# Altium PCB BTF16.PcbDoc (part 3 of 4)
Units mm, origin at the board's own origin, x right, y up, seen from the top; angles counter-clockwise.
Board outline 119.35 x 91 mm, 2 copper layers (Top Layer, Bottom Layer); 485 components, 133 nets, 1702 pads, 1556 vias.
Unrouted connection lines stored in the file: 2.
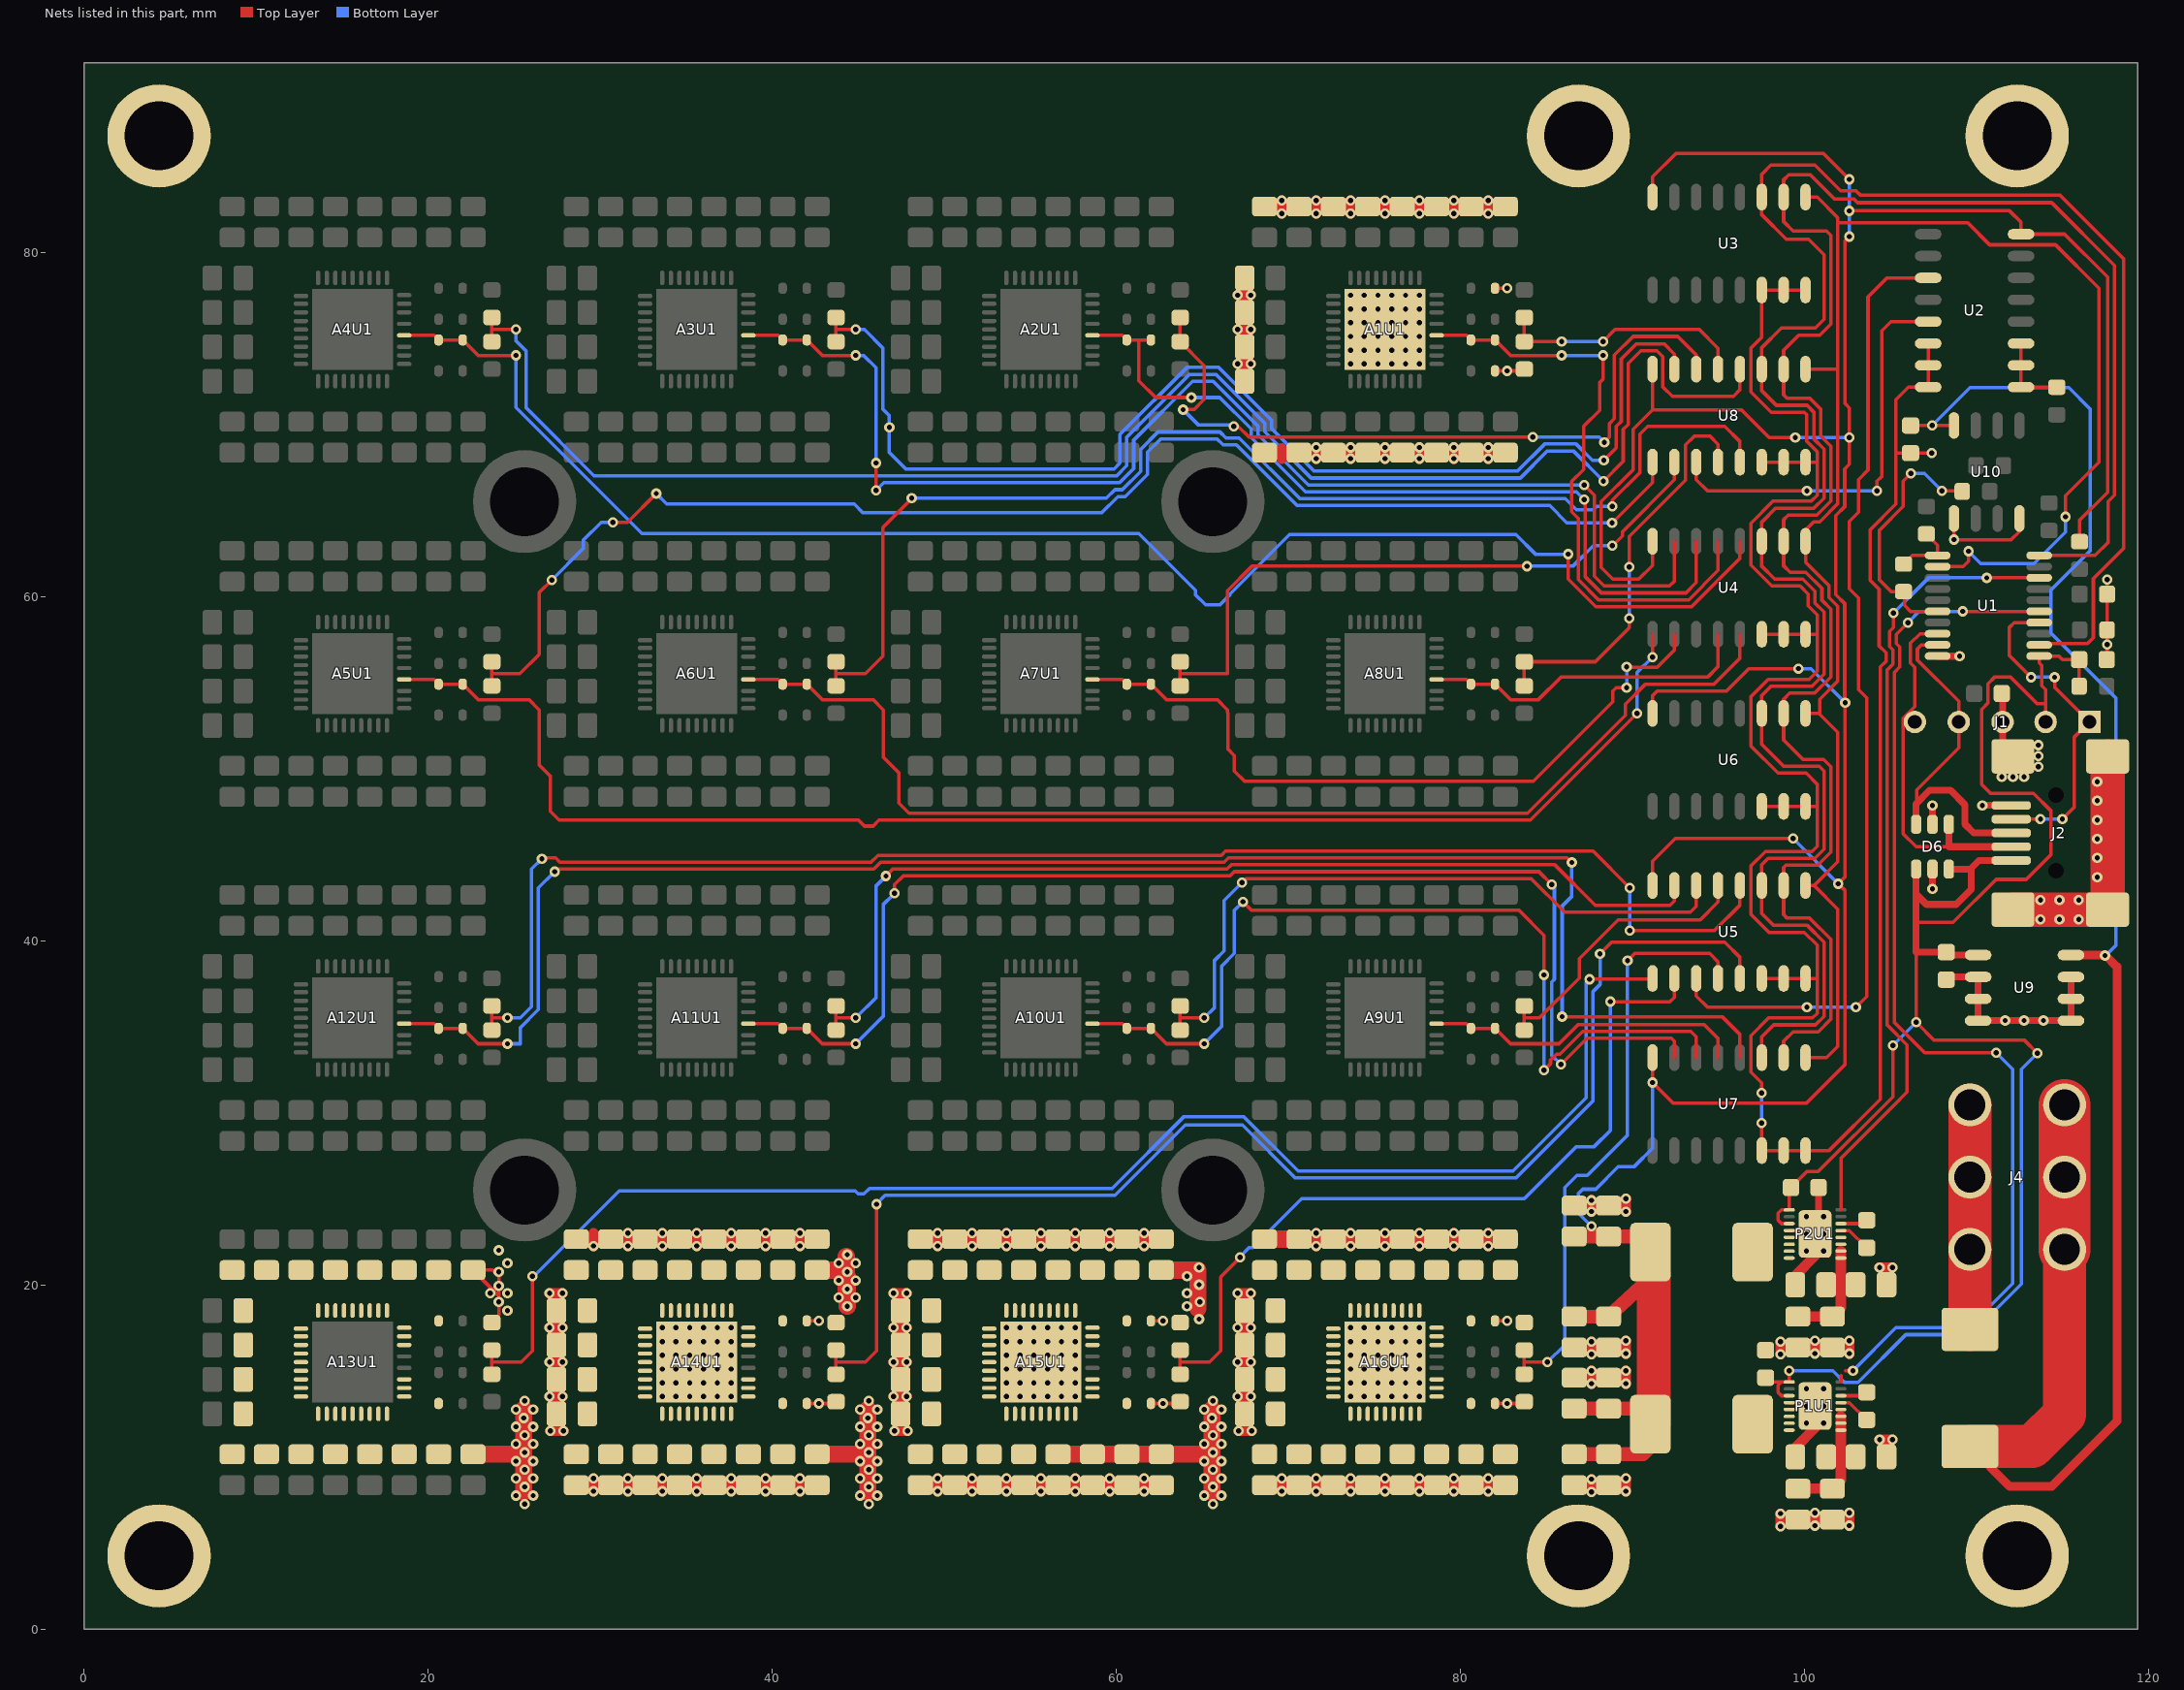
[diagram p3: the nets of this part, all layers, seen from the top]

## Via types
v1: diameter 0.6, hole 0.3, Top Layer to Bottom Layer, tented both sides, 1556 vias

## Nets (pads, with @x,y where several pads share a name; then routed paths per layer and width w, separated by ;. In a path a pad name is that pad's centre, name@x,y a point inside that pad or via, vN(x,y) a via of type N, cw(c..) or ccw(c..) an arc to the next point about the centre after c; other vN are vias at no path point) (continued)
5.0V: C1.1 C4.1 D6.1 D6.3 J1.2 J2.1 P1C10.1 P1U1.1 P1U1.3 P2C10.1 P2U1.1 P2U1.3 R9.2 U1.1 U9.1 | length 113.7
  Top Layer w0.2: P1C10.1@97.725,14.575 97.95,14.35 98.65,14.35 ; P1U1.3@99.1,13.55 98.65,13.55 98.45,13.75 98.45,14.15 98.65,14.35 ; v1(99.1,15) P1U1.1@99.1,14.35 98.65,14.35 ; P2U1.3@99.1,23.55 98.65,23.55 98.45,23.75 98.45,24.15 98.65,24.35 P2U1.1@99.1,24.35 99.1,25.55 100.125,26.575 100.775,26.575 105.125,30.925 v1(105.125,33.9) ; 106.475,39.325 v1(106.475,35.25) 107.525,34.2 112.775,34.2 v1(113.525,33.45) ; 106.475,41.05 108.625,41.05 111.125,43.55 112.875,43.55 114.3,44.975 114.3,47.55 113.3,48.55 110.8,48.55 110.275,49.075 110.275,53.425 110.65,53.8 110.65,54.925 111.025,55.3 111.975,55.3 113.525,53.75 114,53.75 ; J1.2@114,52.7 114,53.75 ; R9.2@115.95,54.775 C1.1@115.95,56.325 114.975,56.325 114.775,56.525 U1.1@113.625,56.525 113.625,56.125 113.775,55.975 113.775,54.8 114,54.575 114,53.75
  Top Layer w0.4: D6.1@106.475,44.15 106.475,42.7 ; D6.3@108.375,44.15 109.625,44.15 109.675,44.2 ; U9.1@110.075,39.155 108.395,39.155 C4.1@108.225,39.325 106.475,39.325 106.475,41.05 106.475,42.7 ; J2.1@112,44.65 110.125,44.65 109.675,44.2 ; 106.475,42.7 107.075,42.1 108.8,42.1 109.675,42.975 109.675,44.2
  Bottom Layer w0.2: v1(99.1,15) 101.625,15 102.3,14.325 103.1,14.325 105.875,17.1 109.666,17.1 112.6,20.034 112.6,32.525 v1(113.525,33.45) ; v1(105.125,33.9) v1(106.475,35.25)
5.2V: A13C1.1 A13C2.1 A13C3.1 A13C4.1 A13C5.1 A13C6.1 A13C7.1 A13C8.1 A13C9.1 A13C10.1 A13C11.1 A13C12.1 A13C13.1 A13C14.1 A13C15.1 A13C16.1 A13C17.1 A13C18.1 A13C19.1 A13C20.1 A13D1.1 A13D3.1 A13R1.1 A13U1.1 A13U1.2 A13U1.3 A13U1.4 A13U1.5 A13U1.6 A13U1.7 A13U1.8 A13U1.9 A13U1.10 A13U1.11 A13U1.12 A13U1.13 A13U1.14 A13U1.15 A13U1.16 A13U1.17 A13U1.18 A13U1.19 A13U1.20 A13U1.21 A13U1.24 A13U1.25 A13U1.26 A13U1.27 A13U1.28 A13U1.29 A13U1.30 A13U1.31 A13U1.32 A13U1.33 A13U1.34 A13U1.35 A14C1.2 A14C2.2 A14C3.2 A14C4.2 A14C5.2 A14C6.2 A14C7.2 A14C8.2 A14C9.2 A14C10.2 A14C11.2 A14C12.2 A14C13.2 A14C14.2 A14C15.2 A14C16.2 A14C17.2 A14C18.2 A14C19.2 A14C20.2 A14D2.2 A14D4.2 A14R2.2 A14U1.36 | length 49.5
  Top Layer w0.2: 24.1,18.25 24.1,19.35 ; A14D4.2@42,13.1 v1(42.7,13.1) 43.6,13.1 A14R2.2@43.7,13.2 ; A14D2.2@42,17.9 v1(42.7,17.9) ; 24.1,19.35 A13C1.1@22.6,20.85 23.75,20.85 24.1,20.5 24.1,19.35
  Top Layer w0.6: v1(27.05,13.5) 27.45,13.5 ; v1(27.05,15.5) 27.45,15.5 ; v1(27.05,17.5) 27.45,17.5 ; v1(27.05,19.5) 27.45,19.5 ; v1(27.1,11.5) 27.45,11.5 ; A14C19.2@27.45,14.5 27.45,15.5 ; A14C17.2@27.45,16.5 27.45,17.5 ; A14C18.2@27.45,18.5 27.45,19.5 ; v1(27.8,13.5) 27.45,13.5 ; v1(27.8,15.5) 27.45,15.5 ; v1(27.8,17.5) 27.45,17.5 ; v1(27.8,19.5) 27.45,19.5 ; v1(27.85,11.5) 27.45,11.5 ; A14C9.2@28.6,8.35 29.6,8.35 ; v1(29.6,8) 29.6,8.35 ; v1(29.6,8.75) 29.6,8.35 ; v1(29.6,22.25) 29.6,22.65 ; 29.6,23 29.6,22.65 ; A14C10.2@30.6,8.35 31.6,8.35 ; A14C7.2@30.6,22.65 29.6,22.65 ; v1(31.6,8) 31.6,8.35 ; v1(31.6,8.75) 31.6,8.35 ; v1(31.6,22.25) 31.6,22.65 ; v1(31.6,23) 31.6,22.65 ; A14C11.2@32.6,8.35 33.6,8.35 ; A14C6.2@32.6,22.65 31.6,22.65 ; v1(33.6,8) 33.6,8.35 ; v1(33.6,8.75) 33.6,8.35 ; v1(33.6,22.25) 33.6,22.65 ; v1(33.6,23) 33.6,22.65 ; A14C12.2@34.6,8.35 35.6,8.35 ; A14C5.2@34.6,22.65 33.6,22.65 ; v1(35.6,8) 35.6,8.35 ; v1(35.6,8.75) 35.6,8.35 ; v1(35.6,22.25) 35.6,22.65 ; v1(35.6,23) 35.6,22.65 ; A14C13.2@36.6,8.35 37.6,8.35 ; A14C4.2@36.6,22.65 35.6,22.65 ; v1(37.6,8) 37.6,8.35 ; v1(37.6,8.75) 37.6,8.35 ; v1(37.6,22.25) 37.6,22.65 ; v1(37.6,23) 37.6,22.65 ; A14C14.2@38.6,8.35 39.6,8.35 ; A14C3.2@38.6,22.65 37.6,22.65 ; v1(39.6,8) 39.6,8.35 ; v1(39.6,8.75) 39.6,8.35 ; v1(39.6,22.25) 39.6,22.65 ; v1(39.6,23) 39.6,22.65 ; A14C15.2@40.6,8.35 41.6,8.35 ; A14C2.2@40.6,22.65 39.6,22.65 ; v1(41.6,8) 41.6,8.35 ; v1(41.6,8.75) 41.6,8.35 ; v1(41.6,22.25) 41.6,22.65 ; v1(41.6,23) 41.6,22.65 ; A14C1.2@42.6,22.65 41.6,22.65 ; 27.45,11.5 A14C20.2@27.45,12.5 27.45,13.5
  Top Layer w1: A13C16.1@22.6,10.15 v1@25.55,10.15 ; 25.55,7.95 v1@25.55,10.15 ; 25.55,12.775 v1@25.55,10.15
  other v1: 25.6,7.25 25.1,7.75 26.1,7.75 25.6,8.25 25.1,8.75 26.1,8.75 25.6,9.25 25.1,9.75 26.1,9.75 25.6,10.25 25.1,10.75 26.1,10.75 25.6,11.25 25.1,11.75 26.1,11.75 25.55,12.25 25.1,12.75 26.1,12.75 25.6,13.25 33.6,13.5 34.4,13.5 35.2,13.5 36,13.5 36.8,13.5 37.6,13.5 33.6,14.3 34.4,14.3 35.2,14.3 36,14.3 36.8,14.3 37.6,14.3 33.6,15.1 34.4,15.1 35.2,15.1 36,15.1 36.8,15.1 37.6,15.1 33.6,15.9 34.4,15.9 35.2,15.9 36,15.9 36.8,15.9 37.6,15.9 33.6,16.7 34.4,16.7 35.2,16.7 36,16.7 36.8,16.7 37.6,16.7 33.6,17.5 34.4,17.5 35.2,17.5 36,17.5 36.8,17.5 37.6,17.5 24.6,18.5 24.1,19 23.6,19.5 24.6,19.5 24.1,19.925 24.1,20.75 24.6,21.25 24.1,22
5.6V: A14C1.1 A14C2.1 A14C3.1 A14C4.1 A14C5.1 A14C6.1 A14C7.1 A14C8.1 A14C9.1 A14C10.1 A14C11.1 A14C12.1 A14C13.1 A14C14.1 A14C15.1 A14C16.1 A14C17.1 A14C18.1 A14C19.1 A14C20.1 A14D1.1 A14D3.1 A14R1.1 A14U1.1 A14U1.2 A14U1.3 A14U1.4 A14U1.5 A14U1.6 A14U1.7 A14U1.8 A14U1.9 A14U1.10 A14U1.11 A14U1.12 A14U1.13 A14U1.14 A14U1.15 A14U1.16 A14U1.17 A14U1.18 A14U1.19 A14U1.20 A14U1.21 A14U1.24 A14U1.25 A14U1.26 A14U1.27 A14U1.28 A14U1.29 A14U1.30 A14U1.31 A14U1.32 A14U1.33 A14U1.34 A14U1.35 A15C1.2 A15C2.2 A15C3.2 A15C4.2 A15C5.2 A15C6.2 A15C7.2 A15C8.2 A15C9.2 A15C10.2 A15C11.2 A15C12.2 A15C13.2 A15C14.2 A15C15.2 A15C16.2 A15C17.2 A15C18.2 A15C19.2 A15C20.2 A15D2.2 A15D4.2 A15R2.2 A15U1.36 | length 49.3
  Top Layer w0.2: A15D4.2@62,13.1 v1(62.7,13.1) 63.6,13.1 A15R2.2@63.7,13.2 ; A15D2.2@62,17.9 v1(62.7,17.9)
  Top Layer w0.6: v1(47.05,13.5) 47.45,13.5 ; v1(47.05,15.5) 47.45,15.5 ; v1(47.05,17.5) 47.45,17.5 ; v1(47.05,19.5) 47.45,19.5 ; v1(47.1,11.5) 47.45,11.5 ; A15C19.2@47.45,14.5 47.45,15.5 ; A15C17.2@47.45,16.5 47.45,17.5 ; A15C18.2@47.45,18.5 47.45,19.5 ; v1(47.8,13.5) 47.45,13.5 ; v1(47.8,15.5) 47.45,15.5 ; v1(47.8,17.5) 47.45,17.5 ; v1(47.8,19.5) 47.45,19.5 ; v1(47.85,11.5) 47.45,11.5 ; A15C9.2@48.6,8.35 49.6,8.35 ; v1(49.6,8) 49.6,8.35 ; v1(49.6,8.75) 49.6,8.35 ; v1(49.6,22.25) 49.6,22.65 ; v1(49.6,23) 49.6,22.65 ; A15C10.2@50.6,8.35 51.6,8.35 ; A15C7.2@50.6,22.65 49.6,22.65 ; v1(51.6,8) 51.6,8.35 ; v1(51.6,8.75) 51.6,8.35 ; v1(51.6,22.25) 51.6,22.65 ; v1(51.6,23) 51.6,22.65 ; A15C11.2@52.6,8.35 53.6,8.35 ; A15C6.2@52.6,22.65 51.6,22.65 ; v1(53.6,8) 53.6,8.35 ; v1(53.6,8.75) 53.6,8.35 ; v1(53.6,22.25) 53.6,22.65 ; v1(53.6,23) 53.6,22.65 ; A15C12.2@54.6,8.35 55.6,8.35 ; A15C5.2@54.6,22.65 53.6,22.65 ; v1(55.6,8) 55.6,8.35 ; v1(55.6,8.75) 55.6,8.35 ; v1(55.6,22.25) 55.6,22.65 ; v1(55.6,23) 55.6,22.65 ; A15C13.2@56.6,8.35 57.6,8.35 ; A15C4.2@56.6,22.65 55.6,22.65 ; v1(57.6,8) 57.6,8.35 ; v1(57.6,8.75) 57.6,8.35 ; v1(57.6,22.25) 57.6,22.65 ; v1(57.6,23) 57.6,22.65 ; A15C14.2@58.6,8.35 59.6,8.35 ; A15C3.2@58.6,22.65 57.6,22.65 ; v1(59.6,8) 59.6,8.35 ; v1(59.6,8.75) 59.6,8.35 ; v1(59.6,22.25) 59.6,22.65 ; v1(59.6,23) 59.6,22.65 ; A15C15.2@60.6,8.35 61.6,8.35 ; A15C2.2@60.6,22.65 59.6,22.65 ; v1(61.6,8) 61.6,8.35 ; v1(61.6,8.75) 61.6,8.35 ; v1(61.6,22.25) 61.6,22.65 ; v1(61.6,23) 61.6,22.65 ; A15C1.2@62.6,22.65 61.6,22.65 ; 47.45,11.5 A15C20.2@47.45,12.5 47.45,13.5
  Top Layer w1: A14C16.1@42.6,10.15 v1@45.55,10.15 ; A14C1.1@42.6,20.85 44,20.85 44.35,20.5 v1(44.35,18.75) ; 44.3,19.45 v1@44.3,21.65 ; 45.55,7.95 v1@45.55,10.15 ; 45.55,12.775 v1@45.55,10.15
  other v1: 45.6,7.25 45.1,7.75 46.1,7.75 45.6,8.25 45.1,8.75 46.1,8.75 45.6,9.25 45.1,9.75 46.1,9.75 45.6,10.25 45.1,10.75 46.1,10.75 45.6,11.25 45.1,11.75 46.1,11.75 45.55,12.25 45.1,12.75 46.1,12.75 45.6,13.25 53.6,13.5 54.4,13.5 55.2,13.5 56,13.5 56.8,13.5 57.6,13.5 53.6,14.3 54.4,14.3 55.2,14.3 56,14.3 56.8,14.3 57.6,14.3 53.6,15.1 54.4,15.1 55.2,15.1 56,15.1 56.8,15.1 57.6,15.1 53.6,15.9 54.4,15.9 55.2,15.9 56,15.9 56.8,15.9 57.6,15.9 53.6,16.7 54.4,16.7 55.2,16.7 56,16.7 56.8,16.7 57.6,16.7 53.6,17.5 54.4,17.5 55.2,17.5 56,17.5 56.8,17.5 57.6,17.5 43.85,19.25 44.85,19.25 44.35,19.75 43.85,20.25 44.85,20.25 44.35,20.75 43.85,21.25 44.85,21.25 44.35,21.75
6.0V: A15C1.1 A15C2.1 A15C3.1 A15C4.1 A15C5.1 A15C6.1 A15C7.1 A15C8.1 A15C9.1 A15C10.1 A15C11.1 A15C12.1 A15C13.1 A15C14.1 A15C15.1 A15C16.1 A15C17.1 A15C18.1 A15C19.1 A15C20.1 A15D1.1 A15D3.1 A15R1.1 A15U1.1 A15U1.2 A15U1.3 A15U1.4 A15U1.5 A15U1.6 A15U1.7 A15U1.8 A15U1.9 A15U1.10 A15U1.11 A15U1.12 A15U1.13 A15U1.14 A15U1.15 A15U1.16 A15U1.17 A15U1.18 A15U1.19 A15U1.20 A15U1.21 A15U1.24 A15U1.25 A15U1.26 A15U1.27 A15U1.28 A15U1.29 A15U1.30 A15U1.31 A15U1.32 A15U1.33 A15U1.34 A15U1.35 A16C1.2 A16C2.2 A16C3.2 A16C4.2 A16C5.2 A16C6.2 A16C7.2 A16C8.2 A16C9.2 A16C10.2 A16C11.2 A16C12.2 A16C13.2 A16C14.2 A16C15.2 A16C16.2 A16C17.2 A16C18.2 A16C19.2 A16C20.2 A16D2.2 A16D4.2 A16R2.2 A16U1.36 | length 60.1
  Top Layer w0.2: A16D4.2@82,13.1 v1(82.7,13.1) 83.6,13.1 A16R2.2@83.7,13.2 ; A16D2.2@82,17.9 v1(82.7,17.9)
  Top Layer w0.6: v1(67.05,13.5) 67.45,13.5 ; v1(67.05,15.5) 67.45,15.5 ; v1(67.05,17.5) 67.45,17.5 ; v1(67.05,19.5) 67.45,19.5 ; v1(67.1,11.5) 67.45,11.5 ; A16C19.2@67.45,14.5 67.45,15.5 ; A16C17.2@67.45,16.5 67.45,17.5 ; A16C18.2@67.45,18.5 67.45,19.5 ; v1(67.8,13.5) 67.45,13.5 ; v1(67.8,15.5) 67.45,15.5 ; v1(67.8,17.5) 67.45,17.5 ; v1(67.8,19.5) 67.45,19.5 ; v1(67.85,11.5) 67.45,11.5 ; A16C9.2@68.6,8.35 69.6,8.35 ; v1(69.6,8) 69.6,8.35 ; v1(69.6,8.75) 69.6,8.35 ; A16C10.2@70.6,8.35 71.6,8.35 ; v1(71.6,8) 71.6,8.35 ; v1(71.6,8.75) 71.6,8.35 ; v1(71.6,22.25) 71.6,22.65 v1(71.6,23) ; A16C11.2@72.6,8.35 73.6,8.35 ; v1(73.6,8) 73.6,8.35 ; v1(73.6,8.75) 73.6,8.35 ; v1(73.6,22.25) 73.6,22.65 v1(73.6,23) ; A16C12.2@74.6,8.35 75.6,8.35 ; v1(75.6,8) 75.6,8.35 ; v1(75.6,8.75) 75.6,8.35 ; v1(75.6,22.25) 75.6,22.65 v1(75.6,23) ; A16C13.2@76.6,8.35 77.6,8.35 ; v1(77.6,8) 77.6,8.35 ; v1(77.6,8.75) 77.6,8.35 ; v1(77.6,22.25) 77.6,22.65 v1(77.6,23) ; A16C14.2@78.6,8.35 79.6,8.35 ; v1(79.6,8) 79.6,8.35 ; v1(79.6,8.75) 79.6,8.35 ; v1(79.6,22.25) 79.6,22.65 v1(79.6,23) ; A16C15.2@80.6,8.35 81.6,8.35 ; v1(81.6,8) 81.6,8.35 ; v1(81.6,8.75) 81.6,8.35 ; v1(81.6,22.25) 81.6,22.65 v1(81.6,23) ; 67.45,11.5 A16C20.2@67.45,12.5 67.45,13.5
  Top Layer w1: A15C13.1@56.6,10.15 A15C14.1@58.6,10.15 A15C15.1@60.6,10.15 A15C16.1@62.6,10.15 v1@65.55,10.15 ; A15C1.1@62.6,20.85 64.725,20.85 64.725,18.625 ; 65.55,7.95 v1@65.55,10.15 ; 65.55,12.775 v1@65.55,10.15 ; A16C8.2@68.6,22.65 A16C7.2@70.6,22.65 71.6,22.65 A16C6.2@72.6,22.65 73.6,22.65 A16C5.2@74.6,22.65 75.6,22.65 77.6,22.65 A16C3.2@78.6,22.65 79.6,22.65 A16C2.2@80.6,22.65 81.6,22.65 A16C1.2@82.6,22.65
  other v1: 65.6,7.25 65.1,7.75 66.1,7.75 65.6,8.25 65.1,8.75 66.1,8.75 65.6,9.25 65.1,9.75 66.1,9.75 65.6,10.25 65.1,10.75 66.1,10.75 65.6,11.25 65.1,11.75 66.1,11.75 65.55,12.25 65.1,12.75 66.1,12.75 65.6,13.25 73.6,13.5 74.4,13.5 75.2,13.5 76,13.5 76.8,13.5 77.6,13.5 73.6,14.3 74.4,14.3 75.2,14.3 76,14.3 76.8,14.3 77.6,14.3 73.6,15.1 74.4,15.1 75.2,15.1 76,15.1 76.8,15.1 77.6,15.1 73.6,15.9 74.4,15.9 75.2,15.9 76,15.9 76.8,15.9 77.6,15.9 73.6,16.7 74.4,16.7 75.2,16.7 76,16.7 76.8,16.7 77.6,16.7 73.6,17.5 74.4,17.5 75.2,17.5 76,17.5 76.8,17.5 77.6,17.5 64.8,18 64.1,18.75 64.85,19 64.1,19.5 64.8,20 64.1,20.5 64.8,21
12V: C5.2 D5.1 J4.1 J4.2 J4.3 P1C2.1 P1C3.1 P1C4.1 P1C5.1 P1U1.9 P1U1.10 P1U1.11 P1U1.12 P2C2.1 P2C3.1 P2C4.1 P2C5.1 P2U1.9 P2U1.10 P2U1.11 P2U1.12 U9.8 U10.8 | length 128.2
  Top Layer w0.2: C5.2@106.15,69.925 v1(107.41,69.925) U10.8@108.67,69.925
  Top Layer w0.5: D5.1@109.6,10.6 111.925,8.275 114.35,8.275 118.15,12.075 118.15,38.475 117.47,39.155 U9.8@115.475,39.155
  Top Layer w0.6: P1C3.1@99.6,8.15 P1C2.1@101.6,8.15 102.1,8.65 102.1,10 ; P2C3.1@99.6,18.15 P2C2.1@101.6,18.15 102.1,18.65 102.1,20 ; P1C4.1@101.25,10 102.1,10 ; P2C4.1@101.25,20 102.1,20 ; P1U1.11@102.1,12.35 102.1,10 ; P2U1.10@102.1,21.95 102.1,20 ; P1C5.1@102.95,10 102.1,10 ; P2C5.1@102.95,20 102.1,20
  Top Layer w2.5: D5.1@109.6,10.6 113.225,10.6 115.1,12.475 J4.3@115.1,22.05
  Top Layer w3: J4.3@115.1,22.05 J4.2@115.1,26.25 J4.1@115.1,30.45
  Bottom Layer w0.2: v1(107.41,69.925) 109.61,72.125 115.35,72.125 116.6,70.875 116.6,62.65 114.3,60.35 114.3,57.875 118.075,54.1 118.075,39.7 v1@117.5,39.125
  other v1: 117.45,39.125
D+: D6.6 J1.4 J2.3 U1.19 | length 21.8
  Top Layer w0.2: D6.6@106.5,46.75 106.5,48.75 108.95,51.2 108.95,53.9 106.55,56.3 106.55,56.95 106.775,57.175 U1.19@107.725,57.175
  Top Layer w0.4: D6.6@106.475,47.125 106.475,47.95 107.25,48.725 108.475,48.725 109.3,47.9 109.3,46.775 109.825,46.25 J2.3@112,46.25
D-: D6.4 J1.5 J2.2 U1.18 | length 21.1
  Top Layer w0.2: U1.18@107.725,57.825 106.7,57.825 106.15,57.275 106.15,56.125 106.4,55.875 106.4,54.65 106.4,53.6 105.725,52.925 105.725,46.2 106.475,45.45 108.375,45.45
  Top Layer w0.4: D6.4@108.375,46.75 108.375,45.45 J2.2@112,45.45
GND: A1C1.2 A1C2.2 A1C3.2 A1C4.2 A1C5.2 A1C6.2 A1C7.2 A1C8.2 A1C9.2 A1C10.2 A1C11.2 A1C12.2 A1C13.2 A1C14.2 A1C15.2 A1C16.2 A1C17.2 A1C18.2 A1C19.2 A1C20.2 A1D2.2 A1D4.2 A1R2.2 A1U1.36 C1.2 C2.2 C3.2 C4.2 C5.1 D5.2 D6.2 D6.5 J1.3 J2.5 J2.6 J2.7 J2.8 J2.9 J4.4 J4.5 J4.6 P1C2.2 P1C3.2 P1C4.2 P1C5.2 P1C6.2 P1C7.2 P1C8.2 P1C9.2 P1C10.2 P1U1.4 P1U1.17 P2C2.2 P2C3.2 P2C4.2 P2C5.2 P2C6.2 P2C7.2 P2C8.2 P2C9.2 P2C10.2 P2U1.4 P2U1.17 pad.0@4.35,4.25 pad.0@4.35,86.75 pad.0@86.85,4.25 pad.0@86.85,86.75 pad.0@112.35,4.25 pad.0@112.35,86.75 R6.2 U1.20 U2.6 U2.7 U2.8 U3.6 U3.7 U3.8 U4.6 U4.7 U4.8 U5.6 U5.7 U5.8 U6.6 U6.7 U6.8 U7.6 U7.7 U7.8 U8.6 U8.7 U8.8 U9.2 U9.3 U9.4 U9.5 U9.6 U9.7 U10.1 U10.4 | length 278.3
  Top Layer w0.2: A1D4.2@82,73.1 v1(82.7,73.1) 83.6,73.1 A1R2.2@83.7,73.2 ; A1D2.2@82,77.9 v1(82.7,77.9) ; v1(97.5,29.4) 97.5,27.805 U7.6@97.505,27.8 U7.7@98.775,27.8 U7.8@100.045,27.8 101.419,27.8 104.4,30.781 104.4,55.901 104.725,56.226 104.725,56.724 104.325,57.124 104.325,60.409 103.8,60.934 103.8,63.86 105.3,65.36 105.3,71.425 106.03,72.155 U2.8@107.175,72.155 U2.7@107.175,73.425 U2.6@107.175,74.695 ; v1(97.5,31.15) 97.5,31.725 96.875,32.35 96.875,34.475 97.9,35.5 100.459,35.5 100.725,35.766 100.725,39.725 99.975,40.475 97.925,40.475 96.875,41.525 96.875,44.341 97.709,45.175 100.425,45.175 100.725,45.475 100.725,49.075 100.075,49.725 98.45,49.725 96.875,51.3 96.875,54.175 97.875,55.175 100.25,55.175 100.725,55.65 100.725,57.8 ; U5.6@97.505,37.8 U5.7@98.775,37.8 U5.8@100.045,37.8 100.67,37.8 ; U6.6@97.505,47.8 U6.7@98.775,47.8 U6.8@100.045,47.8 100.675,47.8 ; U4.6@97.505,57.8 U4.7@98.775,57.8 U4.8@100.045,57.8 100.725,57.8 ; U8.6@97.505,67.8 U8.7@98.775,67.8 U8.8@100.045,67.8 100.725,67.8 ; P1U1.4@99.1,13.15 100.4,13.15 P1U1.17@100.6,12.95 ; P2U1.4@99.1,23.15 100.4,23.15 P2U1.17@100.6,22.95 ; U3.8@100.045,77.8 U3.7@98.775,77.8 U3.6@97.505,77.8 97.505,75.055 96.875,74.425 96.875,71.875 98.05,70.7 99.969,70.7 100.125,70.544 100.125,68.994 100.725,68.394 100.725,67.8 ; 105.35,68.325 C5.1@106.15,68.325 v1(107.38,68.325) ; U10.1@108.67,64.525 v1(108.67,63.295) 112.004,63.295 112.48,63.77 U10.4@112.48,64.525 ; J2.6@111.5,51.3 J2.6@112.1,50.7 ; v1(117.575,60.975) 117.575,56.35 C1.2@117.6,56.325 ; 100.725,57.8 100.725,58.918 100.2,59.443 100.2,60.128 99.728,60.6 98.084,60.6 96.875,61.809 96.875,64.25 98.15,65.525 100.374,65.525 100.725,65.876 100.725,67.8
  Top Layer w0.4: P2U1.17@100.8,23.15 P2C10.2@100.8,25.65 ; v1(107.425,43) D6.2@107.425,44.15 ; D6.5@107.425,46.75 v1(107.425,47.85) ; U1.20@107.725,56.525 v1(109,56.525) ; C4.2@108.225,37.725 108.385,37.885 U9.2@110.075,37.885 U9.3@110.075,36.615 U9.4@110.075,35.345 U9.5@115.475,35.345 U9.6@115.475,36.615 U9.7@115.475,37.885 ; v1(110.325,47.85) J2.5@112,47.85 ; C2.2@111.45,54.35 111.5,54.3 J1.3@111.5,52.7 J2.6@111.5,51.3
  Top Layer w0.6: v1(67.05,73.5) 67.45,73.5 ; v1(67.05,75.5) 67.45,75.5 ; v1(67.05,77.5) 67.45,77.5 ; A1C20.2@67.45,72.5 67.45,73.5 ; A1C19.2@67.45,74.5 67.45,75.5 ; A1C17.2@67.45,76.5 67.45,77.5 ; v1(67.8,73.5) 67.45,73.5 ; v1(67.8,75.5) 67.45,75.5 ; v1(67.8,77.5) 67.45,77.5 ; A1C9.2@68.6,68.35 69.6,68.35 ; 69.6,68 69.6,68.35 ; 69.6,68.6 69.6,68.35 ; v1(69.6,82.25) 69.6,82.65 ; v1(69.6,83) 69.6,82.65 ; A1C10.2@70.6,68.35 v1@71.6,68.35 ; A1C7.2@70.6,82.65 69.6,82.65 ; v1(71.6,68) v1@71.6,68.35 ; v1(71.6,68.65) v1@71.6,68.35 ; v1(71.6,82.25) 71.6,82.65 ; v1(71.6,83) 71.6,82.65 ; A1C11.2@72.6,68.35 v1@73.6,68.35 ; A1C6.2@72.6,82.65 71.6,82.65 ; v1(73.6,68) v1@73.6,68.35 ; v1(73.6,68.65) v1@73.6,68.35 ; v1(73.6,82.25) 73.6,82.65 ; v1(73.6,83) 73.6,82.65 ; A1C12.2@74.6,68.35 v1@75.6,68.35 ; A1C5.2@74.6,82.65 73.6,82.65 ; v1(75.6,68) v1@75.6,68.35 ; v1(75.6,68.65) v1@75.6,68.35 ; v1(75.6,82.25) 75.6,82.65 ; v1(75.6,83) 75.6,82.65 ; A1C13.2@76.6,68.35 v1@77.6,68.35 ; A1C4.2@76.6,82.65 75.6,82.65 ; v1(77.6,68) v1@77.6,68.35 ; v1(77.6,68.65) v1@77.6,68.35 ; v1(77.6,82.25) 77.6,82.65 ; v1(77.6,83) 77.6,82.65 ; A1C14.2@78.6,68.35 v1@79.6,68.35 ; A1C3.2@78.6,82.65 77.6,82.65 ; v1(79.6,68) v1@79.6,68.35 ; v1(79.6,68.65) v1@79.6,68.35 ; v1(79.6,82.25) 79.6,82.65 ; v1(79.6,83) 79.6,82.65 ; A1C15.2@80.6,68.35 v1@81.6,68.35 ; A1C2.2@80.6,82.65 79.6,82.65 ; v1(81.6,68) v1@81.6,68.35 ; v1(81.6,68.65) v1@81.6,68.35 ; v1(81.6,82.25) 81.6,82.65 ; v1(81.6,83) 81.6,82.65 ; A1C1.2@82.6,82.65 81.6,82.65 ; P1C7.2@86.6,14.6 87.6,14.6 ; P2C7.2@86.6,24.6 v1@87.6,24.6 ; v1(87.6,7.95) 87.6,8.35 ; v1(87.6,8.7) 87.6,8.35 ; v1(87.6,14.25) 87.6,14.6 ; v1(87.6,15) 87.6,14.6 ; v1(87.6,15.95) 87.6,16.35 ; v1(87.6,16.7) 87.6,16.35 ; v1(87.6,24.25) v1@87.6,24.6 ; v1(87.6,24.9) v1@87.6,24.6 ; P1C6.2@88.6,14.6 89.6,14.6 ; P2C6.2@88.6,24.6 89.6,24.6 ; v1(89.6,8) 89.6,8.35 ; v1(89.6,8.75) 89.6,8.35 ; v1(89.6,14.25) 89.6,14.6 ; v1(89.6,15) 89.6,14.6 ; v1(89.6,16) 89.6,16.35 ; v1(89.6,16.75) 89.6,16.35 ; v1(89.6,24.25) 89.6,24.6 ; v1(89.6,25) 89.6,24.6 ; v1(98.6,5.95) 98.6,6.35 ; v1(98.6,6.7) 98.6,6.35 ; v1(98.6,15.95) 98.6,16.35 ; v1(98.6,16.7) 98.6,16.35 ; P1C4.2@99.45,10 99.45,10.525 100.6,11.675 P1U1.17@100.6,12.95 P1U1.17@100.881,12.668 ; P2C4.2@99.45,20 99.45,20.525 100.6,21.675 P2U1.17@100.6,22.95 P2U1.17@100.881,22.668 ; v1(102.6,6) 102.6,6.35 ; v1(102.6,6.75) 102.6,6.35 ; v1(102.6,16) 102.6,16.35 ; v1(102.6,16.75) 102.6,16.35 ; v1(104.35,11) 104.75,11 ; v1(104.35,21) 104.75,21 ; P1C5.2@104.75,10 104.75,11 ; P2C5.2@104.75,20 104.75,21 ; v1(105.1,11) 104.75,11 ; v1(105.1,21) 104.75,21 ; 87.6,8.35 P1C9.2@88.6,8.35 89.6,8.35 ; 87.6,16.35 P2C9.2@88.6,16.35 89.6,16.35 ; 98.6,6.35 P1C3.2@99.6,6.35 P1C2.2@101.6,6.35 102.6,6.35 ; 98.6,16.35 P2C3.2@99.6,16.35 P2C2.2@101.6,16.35 102.6,16.35